# Altium PCB RF.PcbDoc (part 2 of 5) (continued)
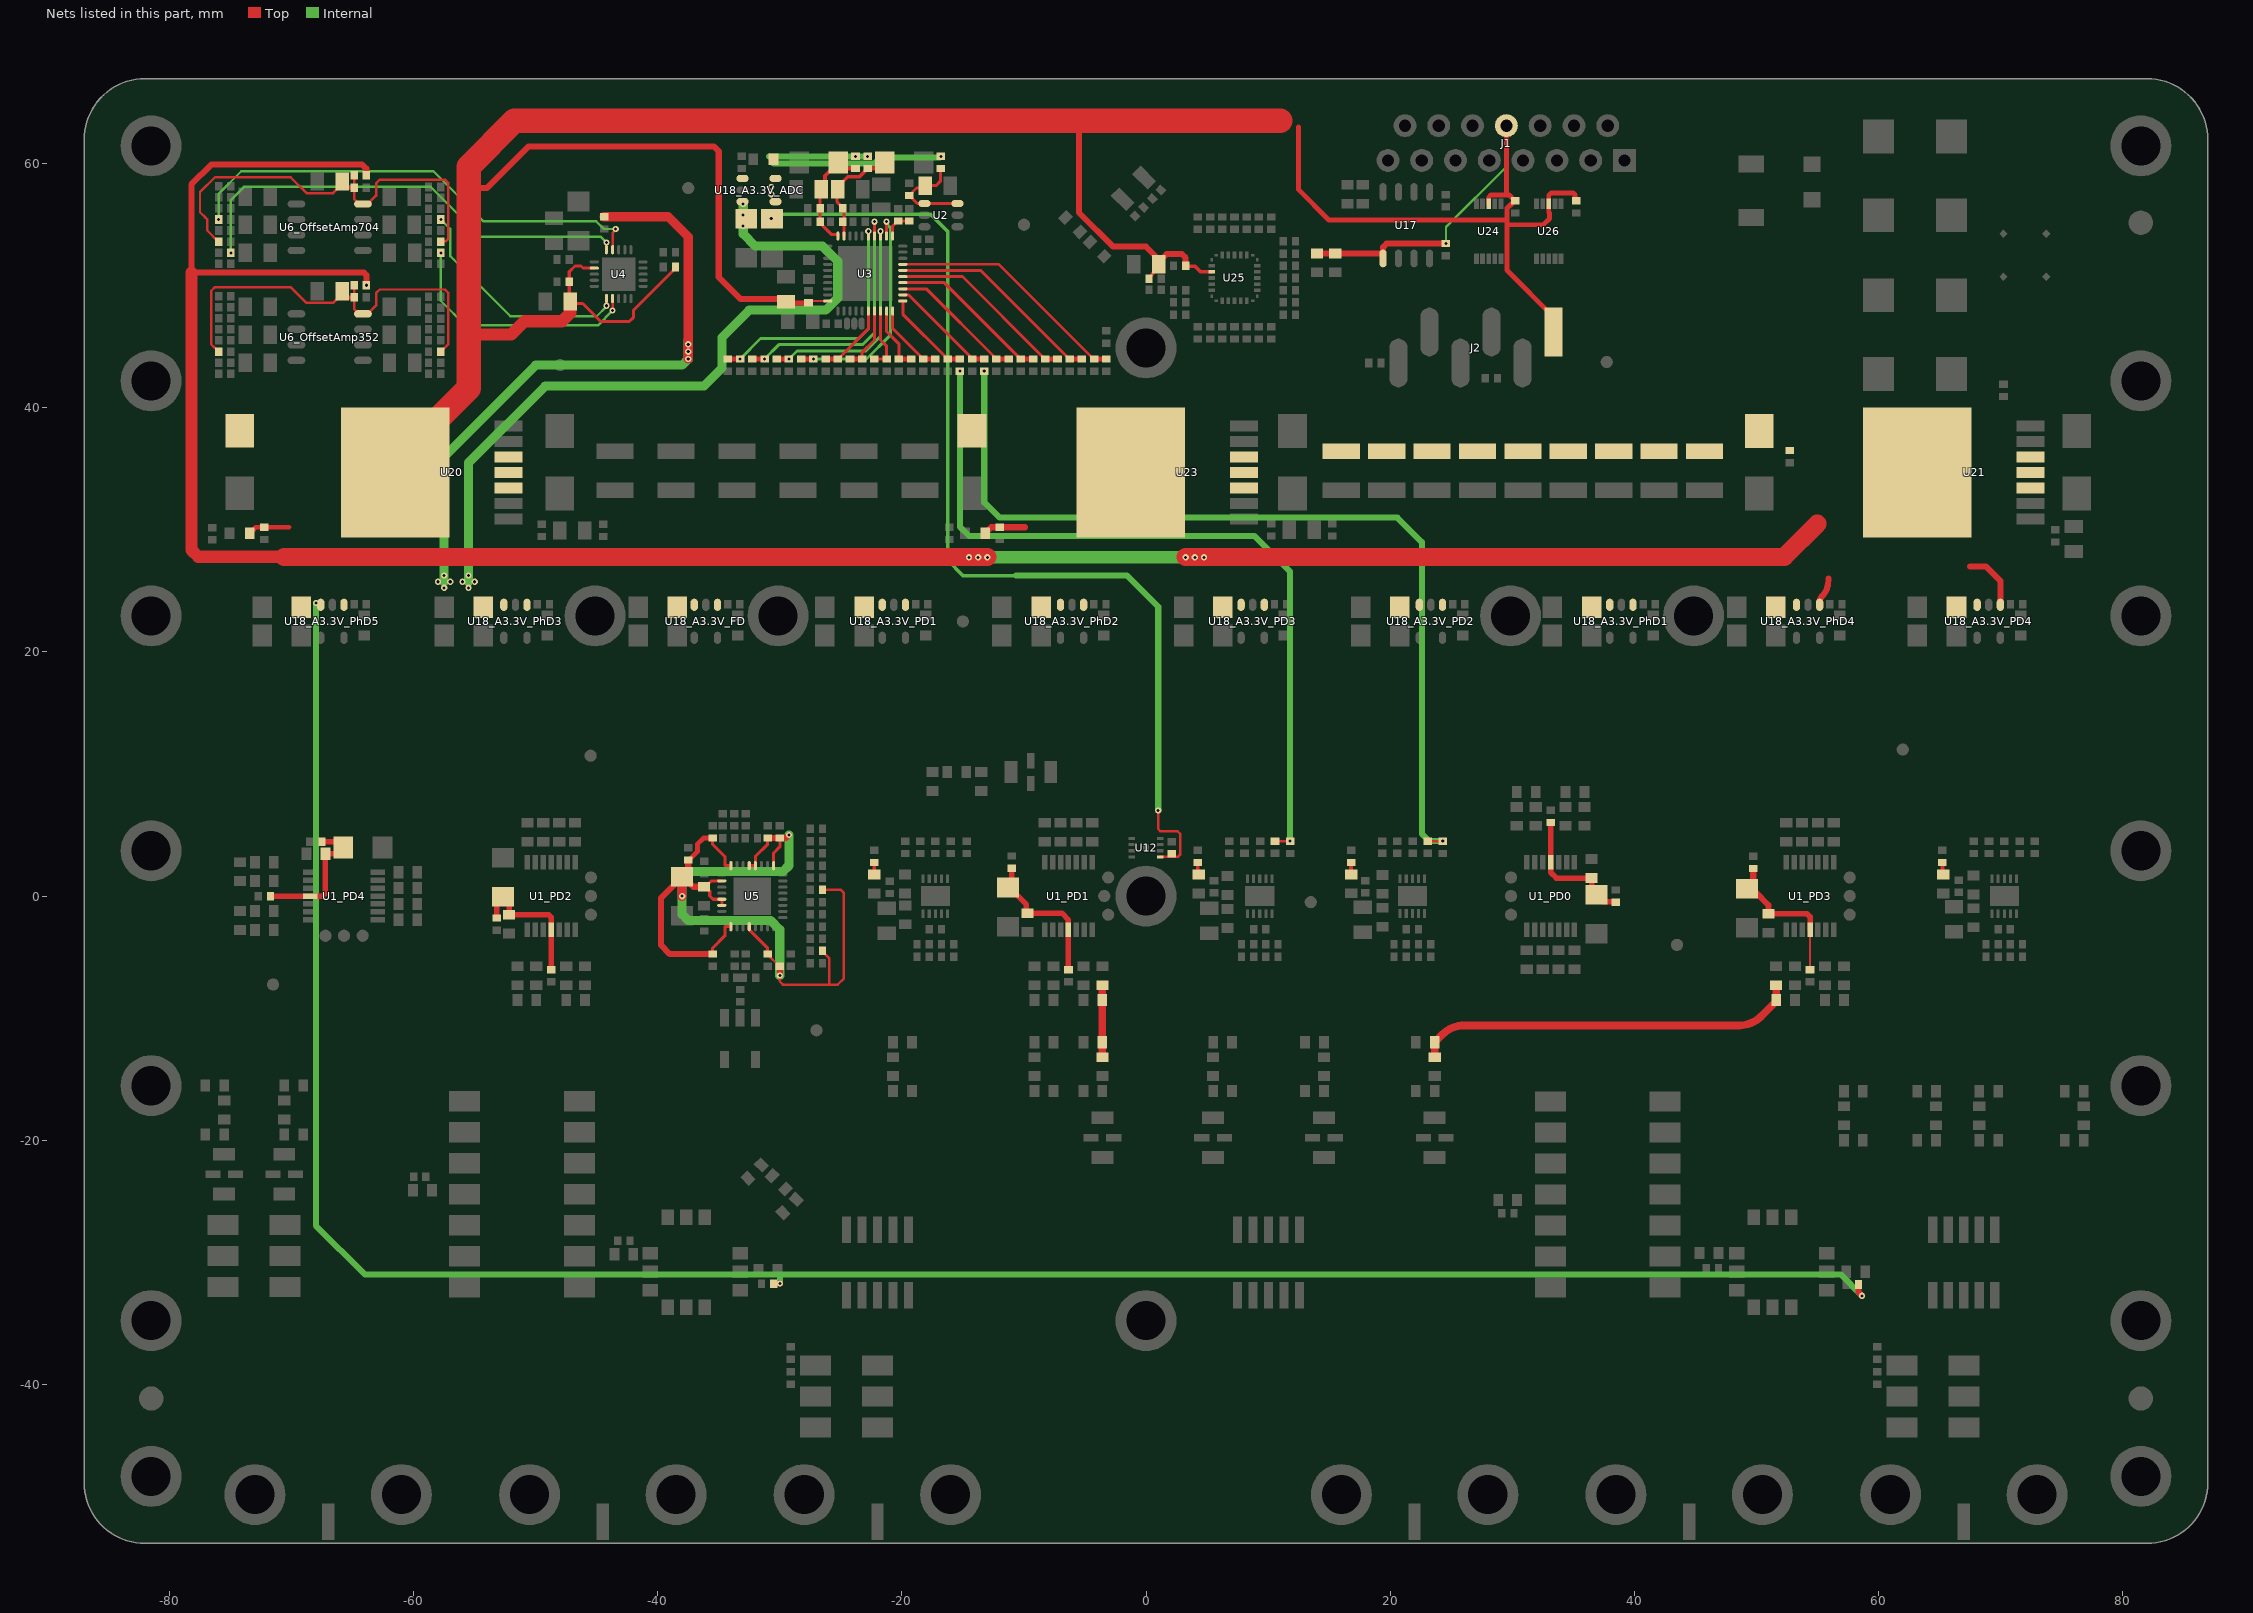
[diagram p4: the nets of this part, all layers, seen from the top]
## Part data (continued)
R5 R6 R7 R8 R9 R10 R11 R12 R13 R14 R16 R17 R18 R19 R20 R21 R22 R23 R24 R25 R26 R27 R30 R31 R32 R33 R34 R35 R36 R37 R38 R39 R40 R41 R42_OffsetAmp352 R42_OffsetAmp704 R43_OffsetAmp352 R43_OffsetAmp704 R44_OffsetAmp352 R44_OffsetAmp704 R45_OffsetAmp352 R45_OffsetAmp704 R46_OffsetAmp352 R46_OffsetAmp704 R47_OffsetAmp352 R47_OffsetAmp704 R48_OffsetAmp352 R48_OffsetAmp704 R49_OffsetAmp352 R49_OffsetAmp704 R50_OffsetAmp352 R50_OffsetAmp704 R51_OffsetAmp352 R51_OffsetAmp704 R52_OffsetAmp352 R52_OffsetAmp704 R53_OffsetAmp352 R53_OffsetAmp704 R54_OffsetAmp352 R54_OffsetAmp704 R55_OffsetAmp352 R55_OffsetAmp704 R56_OffsetAmp352 R56_OffsetAmp704 R57_OffsetAmp352 R57_OffsetAmp704 R59_PWD0 R59_PWD1 R59_PWD2 R59_PWD3 R60_PWD0 R60_PWD1 R60_PWD2 R60_PWD3 R61_PWD0 R61_PWD1 R61_PWD2 R61_PWD3 R62_PWD0 R62_PWD1 R62_PWD2 R62_PWD3 R63_PWD0 R63_PWD1 R63_PWD2 R63_PWD3 R64_PWD0 R64_PWD1 R64_PWD2 R64_PWD3 R65 R68 R69 R70_A3.3V_ADC R70_A3.3V_FD R70_A3.3V_PD1 R70_A3.3V_PD2 R70_A3.3V_PD3 R70_A3.3V_PD4 R70_A3.3V_PhD1 R70_A3.3V_PhD2 R70_A3.3V_PhD3 R70_A3.3V_PhD4 R70_A3.3V_PhD5 R71 R76 R83 R84 R85 R86 R87 R88 R89 R90 R91 R92 R93 R94 R95 R96 R97 R98 R99 R100 R101 R102 R103 R104 R105 R106 R107 R110 R153 R154 R155 R156 R162: "Resistor 0402", Case=0402, Tolerance=±1%
R28 R29 R72 R73 R74 R75 R78 R79 R80 R81 R82 R157 R158 R159 R163: "Resistor 1210", Case=1210, Tolerance=±1%
R77 R160 R161: "Resistor 0805", Case=0805, Tolerance=±1%
Screw1 Screw2 Screw3 Screw4 Screw5 Screw6 Screw7 Screw8 Screw9 Screw10 Screw11 Screw12 Screw13 Screw14 Screw15 Screw16 Screw17 Screw18 Screw19 Screw20 Screw21 Screw22 Screw23 Screw24 Screw25 Screw26 Screw27 Screw28 Screw29 Screw30 Screw31 Screw32 ScrewDGND: library part "M3 Screw"
SMA1 SMA2 SMA3 SMA4 SMA5 SMA6: library part MC000242, "SMA Bulkhead Jack / Front Mount", Supplier Part Number 1=2253765, HelpURL=http://www.farnell.com/datasheets/1686097.pdf?_ga=2.110163462.2015351761.1577118285-755396856.1571840580, Supplier 1=Farnell
Splt1: "Power Splitter/Combiner / • 2 Way-0° / • 50O / • 200 to 900 MHz", Case=CD636, HelpURL=https://ww2.minicircuits.com/pdfs/ADP-2-9+.pdf, Supplier 1=Mini-Circuits, Supplier Part Number 1=ADP-2-9+
Splt2 Splt3 Splt4: "Power Splitter/Combiner / • 4 Way / • 50O / • 5 to 1000 MHz", Case=DZ943, HelpURL=https://www.minicircuits.com/pdfs/SCA-4-10+.pdf, Supplier 1=Mini-Circuits, Supplier Part Number 1=SCA-4-10+
T1: "1:4 E-Series, RF Flux Coupled Transformer / 2 - 800 MHz", Supplier Part Number 1=1465-1318-1-ND, Case=MABAES0061, HelpURL=https://cdn.macom.com/datasheets/MABAES0061.pdf, Supplier 1=Digi-Key
U1_PD0 U1_PD1 U1_PD2 U1_PD3 U1_PD4: "RF/IF Gain and Phase Detector / • LF–2.7 GHz", Case=TSSOP14, Supplier Part Number 1=1498702, HelpURL=https://www.analog.com/media/en/technical-documentation/data-sheets/ad8302.pdf, Supplier 1=Farnell
U2: library part MAX6071-1.8, "Low-Noise, High-Precision Series / 1.8V Voltage Reference", Case=SOT23-6, Supplier Part Number 1=3257466, HelpURL=https://datasheets.maximintegrated.com/en/ds/MAX6070-MAX6071.pdf, Supplier 1=Farnel
U3: "Highly Integrated 24 Bit Sigma-Delta ADC / 8-/16-Channel / Low Power / 31.25 kSPS", Case=LFCSP40, Supplier Part Number 1=2377349, HelpURL=https://www.analog.com/media/en/technical-documentation/data-sheets/AD7173-8.pdf
U4: "Octal, 16-Bit nanoDAC+ with 2 ppm/°C Reference, SPI Interface", Case="20-WFQFN Exposed Pad, CSP", Supplier Part Number 1=AD5676RACPZ-REEL7CT-ND, HelpURL=https://www.analog.com/media/en/technical-documentation/data-sheets/ad5672r_5676r.pdf, Supplier 1=Digi-Key
U5: "1.6 GHz Clock Distribution IC, Dividers, Delay Adjust, Two Outputs", Case=LFCSP32, Supplier Part Number 1=AD9515BCPZ-REEL7CT-ND, HelpURL=https://www.analog.com/media/en/technical-documentation/data-sheets/AD9515.pdf, Supplier 1=Digi-Key
U6_OffsetAmp352 U6_OffsetAmp704: "Ultra Precision, 36 V, 2.8 nV/vHz Dual RRO Op Amp", Supplier Part Number 1=AD8676ARZ, HelpURL=https://www.analog.com/media/en/technical-documentation/data-sheets/AD8676.pdf, Supplier 1=Farnell
U7_PWD0 U7_PWD1 U7_PWD2 U7_PWD3: "40MHz to 10GHz RMS Power Detector with 57dB Dynamic Range", Supplier Part Number 1=LTC5582IDD#PBF-ND, HelpURL=https://www.analog.com/media/en/technical-documentation/data-sheets/LTC5582.pdf, Supplier 1=DigiKey
U12: library part SHT31, "Humidity and Temperature Sensor IC", Case=8-DFN, Supplier Part Number 1=1649-1012-1-ND, HelpURL=https://media.digikey.com/pdf/Data%20Sheets/Sensirion%20PDFs/HT_DS_SHT3x_ARP_V3.pdf, Supplier 1=Digi-Key
U17: "12 Weeks  / Detailed Description I²C Digital Isolator 2500Vrms 2 Channel 1Mbps 25kV/µs CMTI 8-SOIC (0.154\", 3.90mm Width)", Case=8-SOIC, Supplier Part Number 1=296-34871-1-ND, HelpURL=http://www.ti.com/lit/ds/symlink/iso1540.pdf, Supplier 1=Digi-Key
U18_A3.3V_ADC U18_A3.3V_FD U18_A3.3V_PD1 U18_A3.3V_PD2 U18_A3.3V_PD3 U18_A3.3V_PD4 U18_A3.3V_PhD1 U18_A3.3V_PhD2 U18_A3.3V_PhD3 U18_A3.3V_PhD4 U18_A3.3V_PhD5: library part ADP7118-3.3, "20 V, 200 mA, Low Noise, / CMOS LDO Linear Regulator", Case=TSOT-23-5, Supplier Part Number 1=ADP7118AUJZ-3.3-R7CT-ND, HelpURL=https://www.analog.com/media/en/technical-documentation/data-sheets/adp7118.pdf, Supplier 1=Digi-Key
U20 U21 U23: library part LT3081ER, "1.5A Single Resistor / Rugged Linear Regulator / with Monitors", Case=7-DDPAK, Supplier Part Number 1=LT3081ER#PBF-ND, HelpURL=analog.com/media/en/technical-documentation/data-sheets/3081fc.pdf, Supplier 1=Digi-Key
U24 U26: library part CM1213-08MR, "8-Channel / Low Capacitance ESD / Protection Array", Case=10-MSOP, Supplier Part Number 1=CM1213-08MROSCT-ND, HelpURL=https://www.onsemi.com/pub/Collateral/CM1213-D.PDF, Supplier 1=Digi-Key
U25: "IC MCU 32BIT 128KB FLASH 28QFPN", Case=28-UFQFPN, Supplier Part Number 1=497-18343-ND, HelpURL=https://media.digikey.com/pdf/Data%20Sheets/ST%20Microelectronics%20PDFS/STM32G071_Rev1_DS.pdf, Supplier 1=Digi-Key
X1: library part XTAL_ABS07-120-32.768KHZ-T, "32.768kHz ±20ppm Crystal 6pF 55 kOhms 2-SMD, No Lead", Case=2-SMD, Supplier Part Number 1=535-11937-1-ND, HelpURL=https://abracon.com/Resonators/ABS07-120-32.768kHz-T.pdf, Supplier 1=Digi-Key

## Free pads (board coordinates)
  round 2 smd mask+2: FID(-81.5,-41.165) FID(81.5,-41.165) FID(81.5,55.165)
  round 1 smd mask+1: FID(-71.514,-7.25) FID(-48,43.5) FID(-45.5,11.5) FID(-37.5,58) FID(-27,-11) FID(-15,22.5) FID(-10,55) FID(13.5,-0.5) FID(37.75,43.75) FID(43.5,-4) FID(62,12)
  round 1 smd paste-0.1: TPREF(-67.225,-3.25) TPREF(-65.7,-3.25) TPREF(-64.175,-3.25) TPREF(-45.475,-1.525) TPREF(-45.475,0) TPREF(-45.475,1.525) TPREF(-3.423,0) TPREF(-3.1,-1.525) TPREF(-3.1,1.525) TPREF(29.9,-1.525) TPREF(29.9,0) TPREF(29.9,0) TPREF(29.9,1.525) TPREF(57.65,0) TPREF(57.65,-1.525) TPREF(57.65,1.525)
  oval 1x0.5 smd paste-0.1: TPREF(-27.6,53.25)
  oval 0.5x1 smd paste-0.1: TPREF(-24.5,46.9) TPREF(-23.9,46.9) TPREF(-23.3,46.9)

## Via types
v1: diameter 0.51, hole 0.25, Top to REF2, tented both sides, 2873 vias
v2: diameter 1, hole 0.5, Top to REF2, tented both sides, 245 vias
v3: diameter 0.75, hole 0.25, Top to REF2, tented both sides, 21 vias
v4: diameter 0.51, hole 0.25, Top to REF2, tented bottom, 6 vias

## Nets (pads, with @x,y where several pads share a name; then routed paths per layer and width w, separated by ;. In a path a pad name is that pad's centre, name@x,y a point inside that pad or via, vN(x,y) a via of type N, cw(c..) or ccw(c..) an arc to the next point about the centre after c; other vN are vias at no path point)
3.3V_FD_4: BLM8.1 C52.1 C53.1 C54.1 C55.1 C56.1 C58.1 C59.1 R27.2 R32.2 R41.2 U5.1 U5.4 U5.17 U5.20 U5.21 U5.24 U5.26 U5.29 U5.30 | length 87.6
  Top w0.2: C59.1@-31,-4.75 -31,-4.796 -30.046,-5.75 R27.2@-29.996,-5.75 R27.2@-29.996,-5.779 ; v1(-30,-6.5) -30,-7 -29.75,-7.25 -25.966,-7.25 ; R41.2@-26.5,-4.5 -26.5,-4.55 -25.966,-5.084 -25.966,-7.25 ; R32.2@-26.5,0.5 -25,0.5 -24.75,0.25 -24.75,-6.75 -25.25,-7.25 -25.966,-7.25
  Top w0.25: C53.1@-36.2,0.763 C53.1@-36.1,0.763 ; C58.1@-35.508,-4.775 -35.508,-4.266 -34.504,-3.262 -34.504,-2.512 U5.1@-34.004,-2.512 ; C54.1@-35.508,4.75 -35.508,4.242 -34.504,3.238 -34.504,2.488 U5.24@-34.004,2.488 ; U5.30@-34.754,-0.762 U5.29@-34.754,-0.262 -35.471,-0.262 -35.742,0.008 -35.742,0.405 C53.1@-36.1,0.763 ; U5.26@-34.754,1.238 -35.625,1.238 C53.1@-36.1,0.763 ; U5.4@-32.504,-2.512 -32.504,-2.762 -31,-4.266 C59.1@-31,-4.75 -31.016,-4.75 C59.1@-31.191,-4.575 ; U5.21@-32.504,2.488 U5.20@-32.004,2.488 -32.004,3.238 -31,4.242 C55.1@-31,4.75 ; C59.1@-30.95,-4.764 C59.1@-30.95,-4.75 ; U5.17@-30.504,2.488 -30.504,3.524 -30,4.028 C56.1@-30,4.75
  Top w0.4: BLM8.1@-37.5,2.96 -37.426,2.96 -36.75,3.636 -36.75,4.25 -36.25,4.75 C54.1@-35.508,4.75
  Top w0.5: BLM8.1@-37.5,2.96 -37.5,2.088 C52.1@-38,1.588 ; C53.1@-36.2,0.763 -37.075,0.763 -37.9,1.588 C52.1@-38,1.588 ; C58.1@-35.508,-4.75 -39,-4.75 -39.75,-4 -39.75,-0.162 -38.65,0.938 -38.65,1.038 -38.1,1.588 C52.1@-38,1.588 ; C55.1@-31,4.75 C56.1@-30,4.75 -29.5,4.75 v1(-29.25,5) ; v1(-30,-6.5) -29.998,-6.498 -29.998,-5.752 R27.2@-29.996,-5.75
  Top w0.75: v1(-38,-0.012) C52.1@-38,1.588
  Internal w0.75: v1(-30,-6.5) -30,-2.75 -30.75,-2 -37.5,-2 -38,-1.5 v1(-38,-0.012) -38,1.588 -37.588,2 -29.75,2 -29.25,2.5 v1(-29.25,5)
3.3V_PD_PWD0: BLM10_PWD0.1 R58_PWD0.2 | length 1
  Top w0.3: R58_PWD0.2@-22.255,1.765 -22.25,1.77 BLM10_PWD0.1@-22.25,2.75
3.3V_PD_PWD1: BLM10_PWD1.1 R58_PWD1.2 | length 0.9
  Top w0.3: R58_PWD1.2@16.8,1.84 BLM10_PWD1.1@16.8,2.755
3.3V_PD_PWD2: BLM10_PWD2.1 R58_PWD2.2 | length 1
  Top w0.3: BLM10_PWD2.1@4.25,2.75 4.25,1.835 R58_PWD2.2@4.32,1.765
3.3V_PD_PWD3: BLM10_PWD3.1 R58_PWD3.2 | length 1
  Top w0.3: BLM10_PWD3.1@65.25,2.75 65.25,1.83 R58_PWD3.2@65.315,1.765
A0_3: C14.1 R5.2 U3.2 | length 18.5
  Top w0.25: U3.2@-21.25,54.075 v1(-21.25,55.25)
  Top w0.4: C14.1@-28.25,44 v1(-27.25,44)
  Internal w0.25: v1(-27.25,44) -22.9,44 -20.945,45.955 -20.945,54.745 v1@-21.25,55.05
A1_3: C15.1 R6.2 U3.3 | length 17.9
  Top w0.4: C15.1@-30.25,44 v1(-29.25,44)
  Internal w0.25: v1(-29.25,44) -28.6,44.65 -22.95,44.65 -21.75,45.85 v1(-21.75,54.462)
A2_3: C20.1 R7.2 U3.4 | length 21.2
  Top w0.25: U3.4@-22.25,54.075 v1(-22.25,55.25)
  Top w0.4: C20.1@-32.25,44 v1(-31.25,44)
  Internal w0.15: -22.25,54.075 v1(-22.25,55.25)
  Internal w0.25: v1(-31.25,44) -30.075,45.175 -23.225,45.175 -22.25,46.15 -22.25,54.075
A3.3V_ADC_5: BLM2.1 BLM3.1 BLM4.1 C77.2 C82_A3.3V_ADC.1 LED1_A3.3V_ADC.A U12.5 U18_A3.3V_ADC.4 U18_A3.3V_ADC.5 | length 106.5
  Top w0.2: v1(1,7) v1@1,6.96 ; v1@1.092,6.962 1.002,6.962 v1@1,6.96 ; U12.5@1.175,3.21 2.61,3.21 2.8,3.4 2.8,5.1 2.6,5.3 1.2,5.3 1,5.5 v1@1,6.96
  Internal w0.3: -30.65,55.855 -17.655,55.855 -16.25,54.45 -16.25,27.5 -15,26.25 -10.65,26.25
  Internal w0.5: -30.9,60.6 v1(-23.8,60.6) v1(-22.8,60.6) ; -30.5,60 -22.25,60 -21.745,60.505 -16.895,60.505 v1(-16.8,60.6) ; -10.65,26.25 -1.55,26.25 1,23.7 v1(1,7)
  other v1: -30.7,55.5 -30.7,57.5 -30.7,58.1
A3.3V_PhD_PD0: BLM1_PD0.2 C1_PD0.2 C2_PD0.2 C3_PD0.2 U1_PD0.4 | length 11.1
  Top w0.3: U1_PD0.4@33.15,2.775 U1_PD0.4@33.225,2.7
  Top w0.45: C1_PD0.2@33.15,6.025 U1_PD0.4@33.15,2.775 33.15,1.95 33.625,1.475 C2_PD0.2@36.5,1.475 36.5,0.5 C3_PD0.2@36.9,0.1 37.475,-0.475 38.475,-0.475 BLM1_PD0.2@38.5,-0.5
A3.3V_PhD_PD1: BLM1_PD1.2 C1_PD1.2 C2_PD1.2 C3_PD1.2 U1_PD1.4 | length 12.2
  Top w0.45: BLM1_PD1.2@-11,2.25 -11,1 C3_PD1.2@-11.3,0.7 -11.2,0.7 -9.8,-0.7 -9.8,-1.4 C2_PD1.2@-9.7,-1.4 -6.9,-1.4 -6.35,-1.95 U1_PD1.4@-6.35,-2.775 C1_PD1.2@-6.35,-6.025
A3.3V_PhD_PD2: BLM1_PD2.2 C1_PD2.2 C2_PD2.2 C3_PD2.2 U1_PD2.4 | length 11.5
  Top w0.45: BLM1_PD2.2@-53.185,-1.8 -53.185,-0.55 C3_PD2.2@-52.685,-0.05 -52.185,-0.55 C2_PD2.2@-52.185,-1.525 -48.95,-1.525 -48.725,-1.75 U1_PD2.4@-48.725,-2.775 C1_PD2.2@-48.725,-6.025
A3.3V_PhD_PD3: BLM1_PD3.2 C1_PD3.2 C2_PD3.2 C3_PD3.2 U1_PD3.4 | length 12.7
  Top w0.2: C1_PD3.2@54.4,-6.025 U1_PD3.4@54.4,-2.775
  Top w0.3: BLM1_PD3.2@49.75,2.25 BLM1_PD3.2@49.775,2.225
  Top w0.45: C2_PD3.2@51,-1.45 54.136,-1.45 54.4,-1.714 U1_PD3.4@54.4,-2.775
  Top w0.5: BLM1_PD3.2@49.75,2.25 49.75,1.1 C3_PD3.2@49.25,0.6 49.5,0.35 49.9,0.35 51,-0.75 C2_PD3.2@51,-1.45
A3.3V_PhD_PD4: BLM1_PD4.2 C1_PD4.2 C2_PD4.2 C3_PD4.2 U1_PD4.4 | length 11.5
  Top w0.45: C1_PD4.2@-71.725,0 U1_PD4.4@-68.475,0 -67.45,0 -67.225,0.225 C2_PD4.2@-67.225,3.46 -66.25,3.46 C3_PD4.2@-65.75,3.96 -66.25,4.46 BLM1_PD4.2@-67.5,4.46
A3_3: C23.1 R8.2 U3.5 | length 20.5
  Top w0.4: C23.1@-34.25,44 v1(-33.25,44)
  Internal w0.25: v1(-33.25,44) -31.575,45.675 -23.525,45.675 -22.75,46.45 v1(-22.75,54.462)
A4_3: C24.1 R9.2 U3.26 | length 6
  Top w0.25: R9.2@-25.25,44 -25.2,44 -25.025,44.175 -25.025,44.193 -22.75,46.468 U3.26@-22.75,47.925
  Top w0.4: C24.1@-26.225,44 R9.2@-25.225,44
A5_3: C25.1 R10.2 U3.27 | length 5.3
  Top w0.25: R10.2@-23.25,44 -23.25,44.55 -22.25,45.55 U3.27@-22.25,47.925
  Top w0.4: C25.1@-24.25,44 R10.2@-23.25,44
A5V: BLM7.1 BLM12.2 BLM15.2 C81_A3.3V_ADC.1 C81_A3.3V_FD.1 C81_A3.3V_PD1.1 C81_A3.3V_PD2.1 C81_A3.3V_PD3.1 C81_A3.3V_PD4.1 C81_A3.3V_PhD1.1 C81_A3.3V_PhD2.1 C81_A3.3V_PhD3.1 C81_A3.3V_PhD4.1 C81_A3.3V_PhD5.1 C105.2 C106.+ LED3.A U18_A3.3V_ADC.1 U18_A3.3V_ADC.3 U18_A3.3V_FD.1 U18_A3.3V_FD.3 U18_A3.3V_PD1.1 U18_A3.3V_PD1.3 U18_A3.3V_PD2.1 U18_A3.3V_PD2.3 U18_A3.3V_PD3.1 U18_A3.3V_PD3.3 U18_A3.3V_PD4.1 U18_A3.3V_PD4.3 U18_A3.3V_PhD1.1 U18_A3.3V_PhD1.3 U18_A3.3V_PhD2.1 U18_A3.3V_PhD2.3 U18_A3.3V_PhD3.1 U18_A3.3V_PhD3.3 U18_A3.3V_PhD4.1 U18_A3.3V_PhD4.3 U18_A3.3V_PhD5.1 U18_A3.3V_PhD5.3 U23.3 U23.4 U23.5 U23.EP | length 306.9
  Top w0.5: BLM12.2@-30.5,-31.75 -30.487,-31.737 v1(-29.987,-31.737) ; LED3.A@-13.175,29.71 -13.175,29.785 -13.025,29.935 -12.95,29.935 -12.675,30.21 C105.2@-12,30.21 -9.925,30.21 ; U18_A3.3V_PhD4.1@55.191,23.86 55.191,24.118 cw(c55.782,24.118) 55.364,24.536 ccw(c54.071,25.829) 55.9,25.829 55.9,26 ; BLM15.2@58.375,-31.825 58.375,-32.475 v1(58.65,-32.75) ; 67.5,27 68.808,27 69.991,25.817 U18_A3.3V_PD4.1@69.991,23.86
  Top w0.75: BLM7.1@-44.4,55.65 -39.15,55.65 -37.5,54 v1(-37.5,44)
  Internal w0.5: v1(-68,24) -68,-1 -68,-27 -64,-31 -29.987,-31 ; v1(-29.987,-31.737) -29.987,-31 ; v1(58.65,-32.75) 56.9,-31 -29.987,-31
  Internal w0.75: -57.5,25.75 -57.5,36 -50,43.5 -38,43.5 v1(-37.5,44) -37.5,45.5 ; -55.5,25.75 -55.5,35.5 -49.22,41.78 -36.22,41.78 -34.75,43.25 -34.75,45.75 -32.5,48 -26.25,48 -25.25,49 -25.25,52 -26.5,53.25 -32,53.25 -33,54.25 v1(-33,56.7)
  other v1: -57.5,25.25 -55.5,25.25 -58,25.75 -57,25.75 -56,25.75 -55,25.75 -57.5,26.25 -55.5,26.25 -37.5,44.6 -37.5,45.2 -33,54.9 -33,55.8
A6_3: C26.1 R11.2 U3.28 | length 5.1
  Top w0.25: C26.1@-22.25,44 R11.2@-21.25,44 -21.25,45.05 -21.75,45.55 U3.28@-21.75,47.925
A7_3: C27.1 R12.2 U3.29 | length 5.4
  Top w0.25: U3.29@-21.25,47.925 -21.25,46.25 -20.25,45.25 -20.25,44.05 C27.1@-20.3,44
  Top w0.4: C27.1@-20.25,44 R12.2@-19.25,44
A8_3: C28.1 R13.2 U3.30 | length 6
  Top w0.25: U3.30@-20.75,47.925 -20.75,46.5 C28.1@-18.25,44
  Top w0.4: C28.1@-18.25,44 R13.2@-17.25,44
A9_3: C29.1 R14.2 U3.31 | length 7.3
  Top w0.25: U3.31@-19.925,48.75 -19.925,47.675 C29.1@-16.25,44
  Top w0.4: C29.1@-16.25,44 R14.2@-15.25,44
A10_3: C30.1 R16.2 U3.32 | length 8.9
  Top w0.25: U3.32@-19.925,49.25 -19.45,49.25 -14.25,44.05 C30.1@-14.25,44
  Top w0.4: C30.1@-14.25,44 R16.2@-13.25,44
A11_3: C31.1 R17.2 U3.33 | length 11.1
  Top w0.25: U3.33@-19.925,49.75 -18,49.75 C31.1@-12.25,44
  Top w0.4: C31.1@-12.25,44 R17.2@-11.25,44
A12_3: C32.1 R18.2 U3.34 | length 13.3
  Top w0.25: U3.34@-19.925,50.25 -16.532,50.25 -10.475,44.193 -10.475,44.175 -10.3,44 C32.1@-10.25,44
  Top w0.4: C32.1@-10.25,44 R18.2@-9.25,44
A12V: BLM9_OffsetAmp352.2 BLM9_OffsetAmp704.2 C97.2 C98.+ R78.1 R79.1 R80.1 R81.1 R82.1 R157.1 R158.1 R159.1 R163.1 U21.3 U21.4 U21.5 U21.EP | length 198.9
  Top w0.5: v1(-63.875,50.04) -63.875,50.875 -64.09,51.09 -78.2,51.09 -78.2,58.3 -76.575,59.925 -64.218,59.925 -63.875,59.582 BLM9_OffsetAmp704.2@-63.875,59.04
  Top w1: -78.2,51.09 -78.2,28.353 -77.647,27.8 -70.2,27.8
  Top w1.5: -70.625,27.778 v1@-13,27.778 ; v1@3.25,27.778 4.75,27.778 50.478,27.778 52.278,27.778 55,30.5
  Internal w1: v1(-14.5,27.75) v1(-13.75,27.75) v1(-13,27.75) v1(3.25,27.75) v1(4,27.75) v1(4.75,27.75)
A12V_OffsetAmp352: BLM9_OffsetAmp352.1 C66_OffsetAmp352.1 C67_OffsetAmp352.1 R42_OffsetAmp352.2 R50_OffsetAmp352.2 U6_OffsetAmp352.8 | length 34.5
  Top w0.2: R42_OffsetAmp352.2@-75.975,44.59 -76.358,44.973 -76.358,44.977 -76.575,45.194 -76.575,49.59 -76.275,49.89 -70.075,49.89 -68.775,48.59 -66.6,48.59 -65.85,49.34 C67_OffsetAmp352.1@-65.55,49.04 ; BLM9_OffsetAmp352.1@-64.875,50.04 C66_OffsetAmp352.1@-64.875,49.04 -64.875,48.103 -64.467,47.695 U6_OffsetAmp352.8@-64.15,47.695 -63.77,47.695 -63.075,48.39 -63.075,49.39 -62.775,49.69 -57.442,49.69 -57.175,49.423 -57.175,45.194 -57.729,44.64 -57.775,44.64 R50_OffsetAmp352.2@-57.775,44.59
  Top w0.3: C67_OffsetAmp352.1@-65.55,49.04 C66_OffsetAmp352.1@-64.875,49.04
A12V_OffsetAmp704: BLM9_OffsetAmp704.1 C66_OffsetAmp704.1 C67_OffsetAmp704.1 R42_OffsetAmp704.2 R50_OffsetAmp704.2 U6_OffsetAmp704.8 | length 35.5
  Top w0.2: R42_OffsetAmp704.2@-75.975,53.59 -76.91,54.525 -76.91,55.429 -77.059,55.578 -77.5,56.019 -77.5,57.665 -76.275,58.89 -70.075,58.89 -68.775,57.59 -66.6,57.59 -65.85,58.34 C67_OffsetAmp704.1@-65.55,58.04 ; BLM9_OffsetAmp704.1@-64.875,59.04 C66_OffsetAmp704.1@-64.875,58.04 -64.875,57.103 -64.467,56.695 U6_OffsetAmp704.8@-64.15,56.695 -63.77,56.695 -63.075,57.39 -63.075,58.39 -62.775,58.69 -57.442,58.69 -57.175,58.423 -57.175,53.825 -57.36,53.64 -57.775,53.64 R50_OffsetAmp704.2@-57.775,53.59
  Top w0.3: C67_OffsetAmp704.1@-65.55,58.04 C66_OffsetAmp704.1@-64.875,58.04
A13_3: C33.1 R19.2 U3.35 | length 15.5
  Top w0.25: U3.35@-19.925,50.75 -15.032,50.75 -8.475,44.193 -8.475,44.175 -8.3,44 C33.1@-8.25,44
  Top w0.4: C33.1@-8.25,44 R19.2@-7.25,44
A14_3: C34.1 R20.2 U3.36 | length 17.7
  Top w0.25: U3.36@-19.925,51.25 -13.532,51.25 -6.475,44.193 -6.475,44.175 -6.3,44 C34.1@-6.25,44
  Top w0.4: C34.1@-6.25,44 R20.2@-5.25,44
A15_3: C37.1 R21.2 U3.37 | length 19.9
  Top w0.2: U3.37@-19.925,51.75 -12.05,51.75 -4.3,44 C37.1@-4.25,44
  Top w0.4: C37.1@-4.25,44 R21.2@-3.25,44
A16_3: C38.1 R22.2 U3.1 | length 2.3
  Top w0.25: U3.1@-20.75,54.075 -20.75,54.9 -20.35,55.3 R22.2@-20.3,55.3 C38.1@-19.4,55.3
A_5: R45_OffsetAmp704.1 U4.19 | length 39.1
  Top w0.2: U4.19@-43.7,52.95 -43.7,54.316 -43.45,54.566 v1(-43.45,54.65)
  Internal w0.2: v1(-75.975,55.427) -75.975,57.525 -74.125,59.375 -58.375,59.375 -54.275,55.275 -45.037,55.275 -44.413,54.651 v1@-43.451,54.651
AMP352_5: C4_PD3.1 R1_PD3.2 R142.2 R143.2 | length 31.7
  Top w0.635: R142.2@23.65,-13.2 R143.2@23.65,-11.975 24.281,-11.344 cw(c26.077,-13.14) 26.077,-10.6 48.598,-10.6 ccw(c48.598,-8.06) 50.394,-9.856 51.625,-8.625 R1_PD3.2@51.625,-8.525 C4_PD3.1@51.625,-7.3
AMP352_5_P: R14.1 R63_PWD2.2 R64_PWD2.1 | length 64.7
  Top w0.2: R63_PWD2.2@10.57,4.495 11.81,4.495 v1(11.812,4.493) R64_PWD2.1@11.815,4.49
  Internal w0.5: v1(-15.25,43) -15.25,30.25 -14.5,29.5 8.883,29.5 11.812,26.571 v1(11.812,4.493)
AMP704_5: C8_PD1.1 R3_PD1.1 R129.2 R130.2 | length 5.9
  Top w0.635: R130.2@-3.575,-13.2 R129.2@-3.575,-11.975 R3_PD1.1@-3.575,-8.525 C8_PD1.1@-3.575,-7.3
AMP704_5_P: R16.1 R63_PWD1.2 R64_PWD1.1 | length 75.1
  Top w0.2: R63_PWD1.2@23.07,4.495 24.31,4.495 v1(24.312,4.493) R64_PWD1.1@24.315,4.49
  Internal w0.5: v1(-13.25,43) -13.25,32.25 -12,31 20.6,31 22.6,29 22.6,5.1 23.206,4.494 24.311,4.494 v1(24.312,4.493)
AVDD1_3: BLM3.2 C10.2 C11.2 C12.1 C13.1 U3.9 | length 9.1
  Top w0.25: C12.1@-25.25,57.9 -25.4,57.75 -25.3,57.65 -25.3,56.85 -24.85,56.4 C10.2@-24.85,56.35 -24.75,56.25 U3.9@-24.75,54.075
  Top w0.3: C12.1@-25.25,57.9 -25.25,58.1 -24.426,58.924 -23.472,58.924 -23,59.396 -23,59.45 -22.85,59.6 BLM3.2@-22.8,59.6 -21.95,59.6 C13.1@-21.4,60.15
AVDD2_3: BLM4.2 C16.2 C17.2 C18.1 C19.1 U3.10 | length 9.1
  Top w0.25: C18.1@-26.6,57.9 -26.7,57.8 C17.2@-26.7,56.35 C16.2@-26.7,55.25 -26.525,55.075 -26.525,54.957 -25.75,54.182 -25.25,54.182 U3.10@-25.25,54.075
  Top w0.3: C18.1@-26.6,57.9 -26.6,58.3 -26.3,58.6 -26.3,59 C19.1@-25.2,60.1 -24.7,59.6 BLM4.2@-23.8,59.6
AVDDREF_3: BLM2.2 C35.1 C36.2 U2.3 U2.4 | length 8.3
  Top w0.25: BLM2.2@-16.8,59.6 -16.85,59.6 -16.85,58.55 -17.2,58.2 C35.1@-18.1,58.2 -18.1,58 -18.8,58 C36.2@-19.4,57.4 -18.734,56.734 U2.4@-18.15,56.734 U2.3@-15.65,56.734
B_5: R54_OffsetAmp704.1 U4.6 | length 19.1
  Top w0.2: v1(-44.2,48.362) U4.6@-44.2,48.95
  Internal w0.2: v1(-57.775,55.427) -57,54.652 -57,52.425 -52.075,47.5 -45,47.5 v1@-44.2,48.3
C_5: R51_OffsetAmp704.1 U4.7 | length 20.3
  Top w0.2: v1(-43.7,47.962) U4.7@-43.7,48.95
  Internal w0.2: v1(-57.775,52.69) -57.775,48.775 -55.755,46.755 -44.908,46.755 v1(-43.7,47.962)
D3.3V: C21.1 C22.2 C46.2 C47.1 C79.2 C89.2 C90.+ C107.1 C108.1 C111.1 C113.1 J1.12 J2.1 LED2.A R23.1 R93.2 R108.1 R109.1 U3.20 U4.2 U17.1 U20.3 U20.4 U20.5 U20.EP U24.8 U25.3 U26.8 | length 266.2
  Top w0.2: C21.1@-29.175,48.7 C21.1@-29.1,48.775 ; C22.2@-27.65,48.775 -27.625,48.75 U3.20@-26.075,48.75
  Top w0.25: C47.1@-47.25,48.785 C46.2@-47.25,50.335 -47.25,51.15 -46.778,51.622 -46.281,51.622 -46.109,51.45 U4.2@-45.2,51.45 ; C47.1@-46.75,48.548 -46.148,48.548 -44.663,47.063 -42.326,47.063 -42,47.389 -42,47.975 -38.55,51.425 R23.1@-38.55,51.535
  Top w0.3: R93.2@0.25,50.56 C107.1@1.05,51.76 ; C108.1@3.276,51.61 4,51.61 4.475,51.135 U25.3@5.375,51.135
  Top w0.4: LED2.A@-73.425,29.71 -73.425,29.785 -73.225,29.985 -73.15,29.985 -72.925,30.21 C89.2@-72.25,30.21 -70.225,30.21 ; C21.1@-29.1,48.7 -29,48.6 C22.2@-27.65,48.6 ; 12.5,63 12.5,57.863 14.993,55.37 29.575,55.37 ; U24.8@28.075,56.71 28.075,57.26 28.251,57.435 29.523,57.435 ; J1.12@29.523,63.115 29.523,57.435 ; 29.615,55 32.561,55 33.055,55.494 33.055,55.954 33,56.009 U26.8@33,56.71 33,57.4 33.2,57.6 35,57.6 35.15,57.45 35.15,57.01 35.2,57.01 C113.1@35.25,56.96 ; C111.1@30.25,56.96 C111.1@30.225,56.96 ; J2.1@33.38,46.21 33.38,47.46 29.575,51.265 29.575,52.76 29.575,55 29.575,55.37 ; 29.523,57.435 29.75,57.435 C111.1@30.225,56.96 ; 29.575,55.37 29.575,56.36 29.793,56.577 29.817,56.577 30.2,56.96 C111.1@30.225,56.96
  Top w0.5: -55.5,58 -54,58 -50.586,61.414 -35.414,61.414 -35,61 -35,50.7 -33.2,48.9 -29.662,48.9 C21.1@-29.6,48.838 ; -6,63.5 -5.5,63 -5.5,56 -2.7,53.2 0,53.2 1.05,52.15 C107.1@1.05,51.96 ; C107.1@1.05,51.76 C107.1@1.05,51.96 ; C108.1@3.25,51.635 3.25,52.285 2.935,52.6 1.691,52.6 C107.1@1.05,51.96 ; R108.1@14,52.65 R109.1@15.5,52.65 19.224,52.65 U17.1@19.42,52.454 ; U17.1@19.42,52.235 U17.1@19.42,52.454 ; v1(24.575,53.46) 19.71,53.46 19.42,53.17 U17.1@19.42,52.454
  Top w1: -55.5,45.433 -54.933,46 -52,46 -50.915,47.085 -47.85,47.085 -47.175,47.76 C47.1@-47.175,48.71
  Top w2: U20.EP@-61.508,34.705 -61.508,35.594 -55.5,41.602 -55.5,45.433 -55.5,58 -55.5,59.75 -51.75,63.5 -6,63.5 11,63.5
  Internal w0.2: v1(24.575,53.46) 24.575,54.8 29.523,59.748 J1.12@29.523,62.88
D_5: R43_OffsetAmp704.1 U4.20 | length 38
  Top w0.2: U4.20@-44.2,52.95 v1(-44.2,53.538)
  Internal w0.2: v1(-74.975,52.69) -74.975,57.025 -73.9,58.1 -58.6,58.1 -54.5,54 -44.662,54 v1(-44.2,53.538)